# Altium PCB foxbms2-master.PcbDoc (part 5 of 11) (continued)
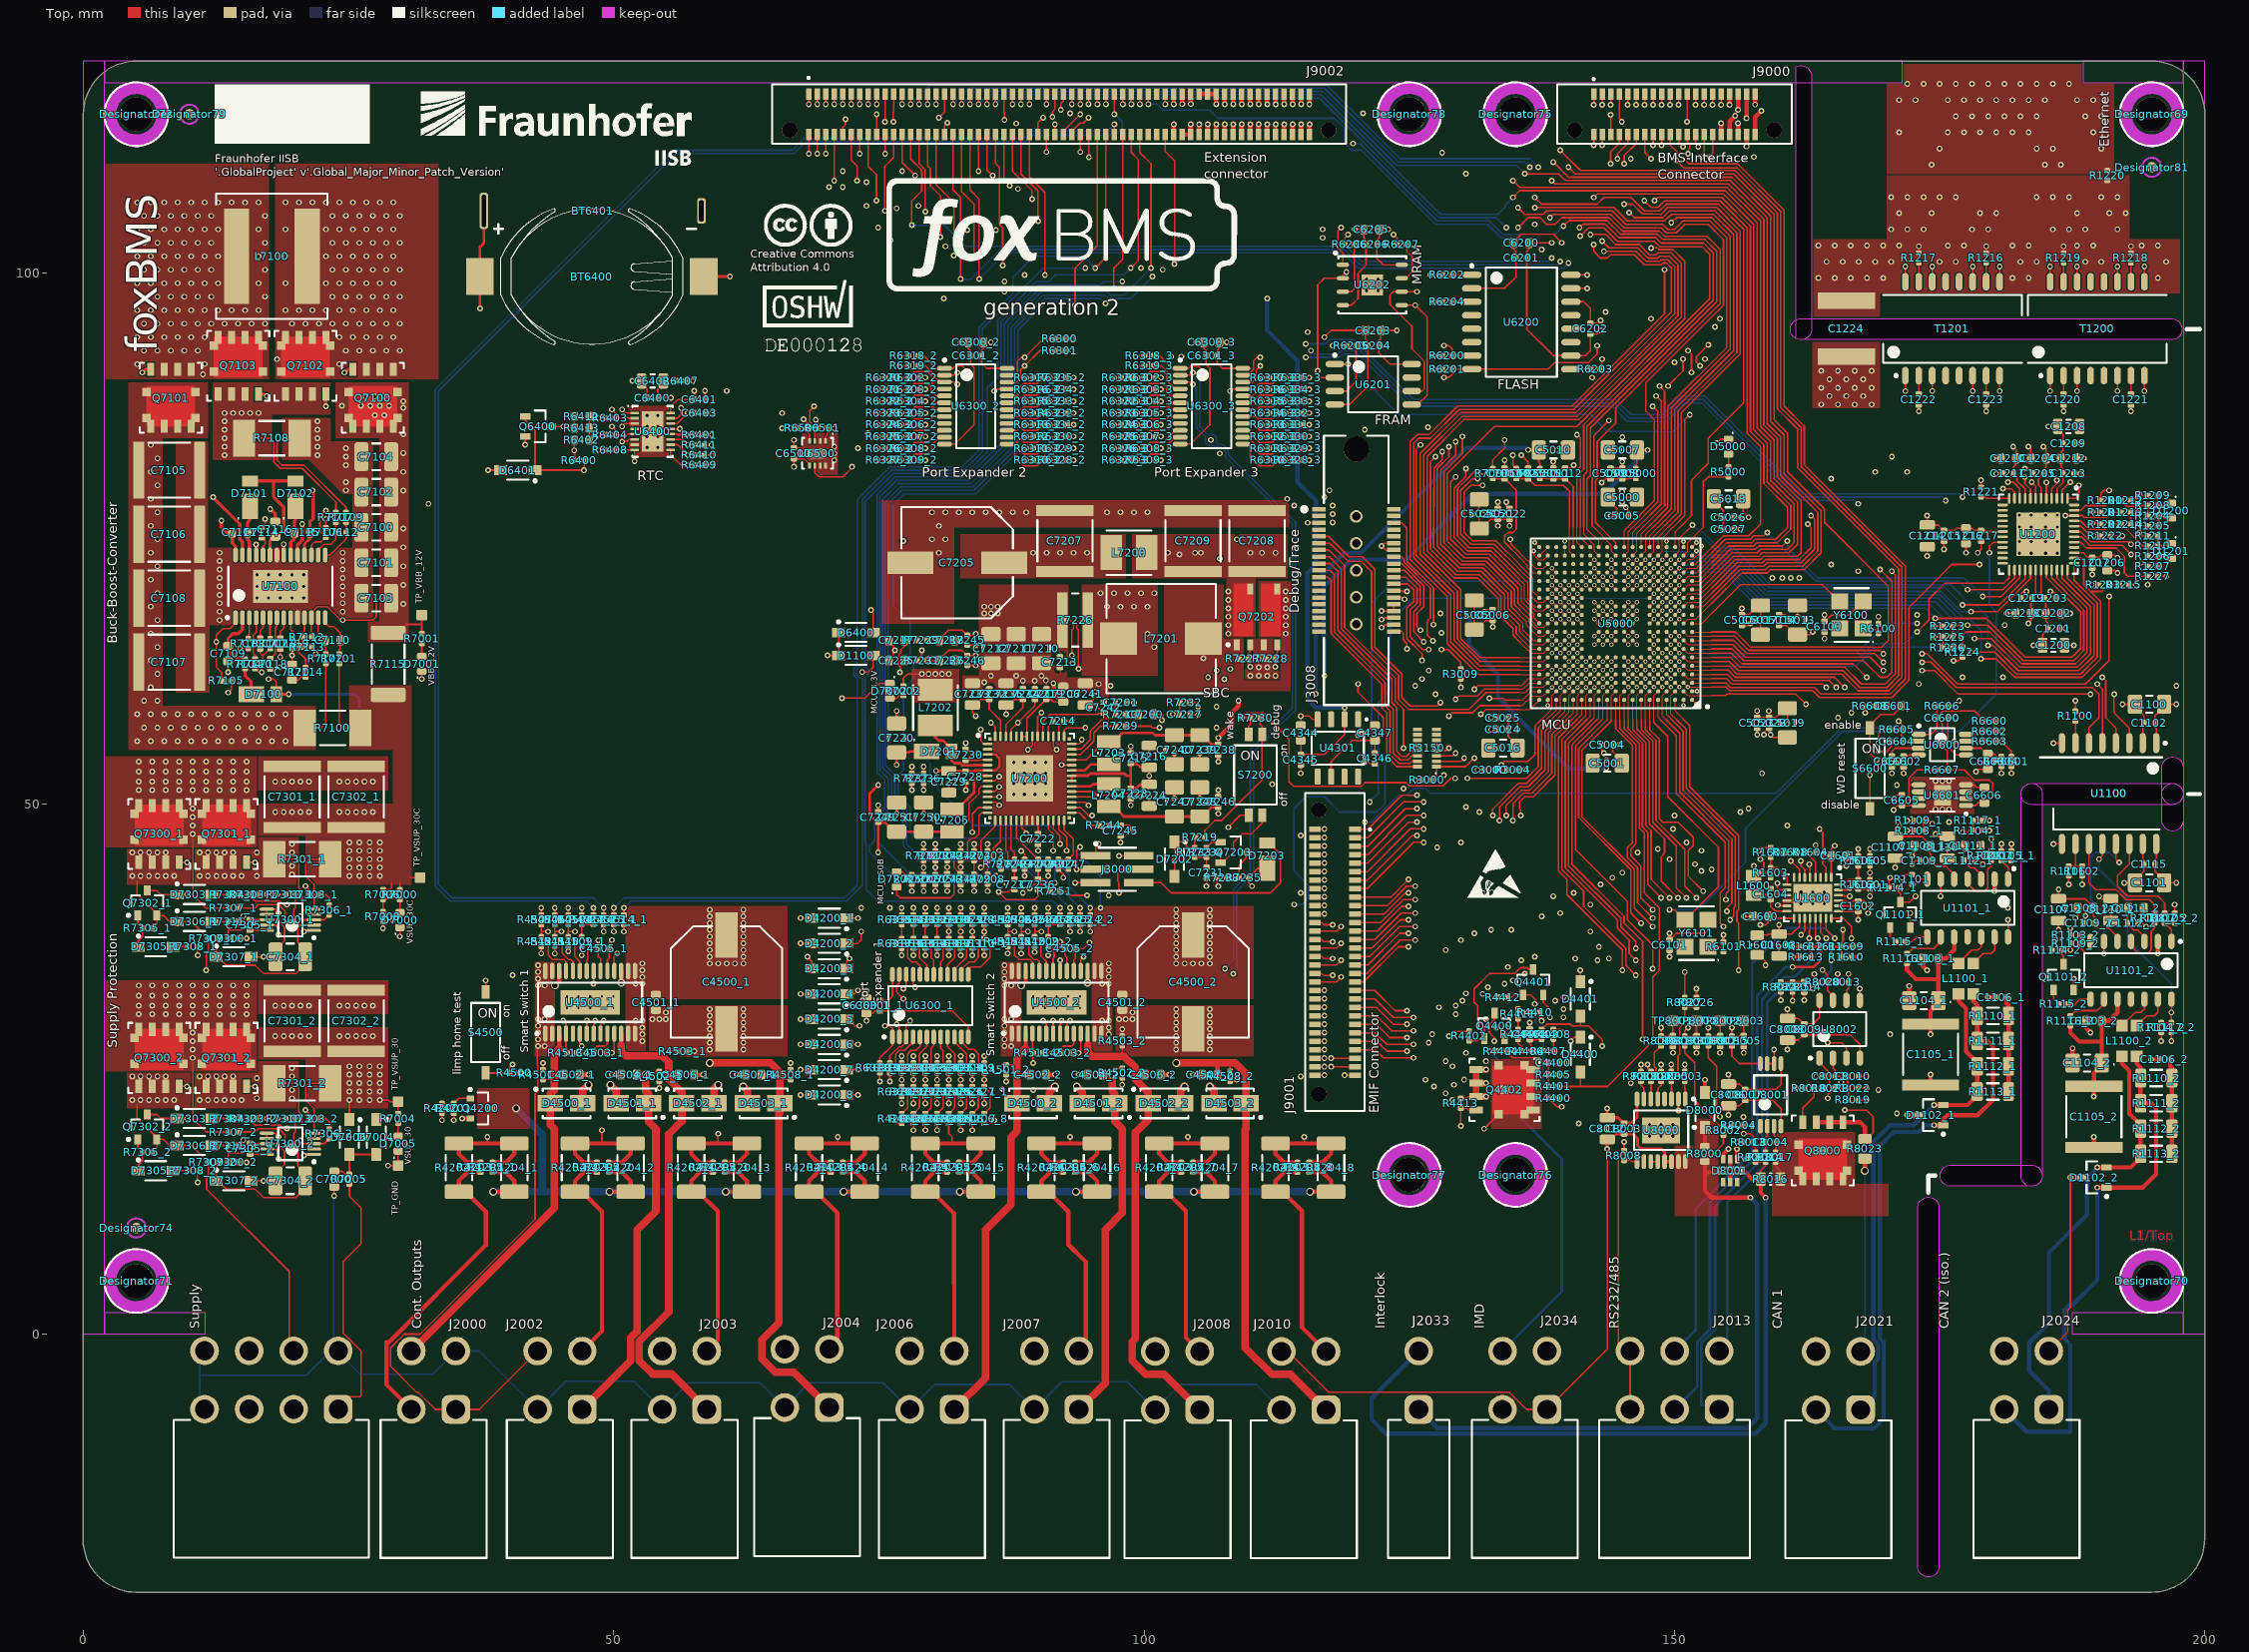
[diagram p0: Top view]
## Nets (pads, with @x,y where several pads share a name; then routed paths per layer and width w, separated by ;. In a path a pad name is that pad's centre, name@x,y a point inside that pad or via, vN(x,y) a via of type N, cw(c..) or ccw(c..) an arc to the next point about the centre after c; other vN are vias at no path point) (continued)
  Top w0.254: BT6400.-@58.492,99.695 v1(60.96,99.695) ; C7249.1@74.93,49.246 v2(74.93,49.847) ; v2(76.676,49.054) C7251.1@76.676,50.111 ; C7220.1@76.676,57.573 v2(76.676,58.737) ; v2(79.216,49.054) C7250.1@79.216,50.111 ; C7229.1@81.597,51.045 v2(81.597,51.911) ; v2(83.185,51.276) C7228.1@83.185,52.036 ; v2(98.742,49.847) C7223.1@98.742,50.449 ; C7215.1@98.742,54.802 v2(98.742,55.404) ; C7224.1@100.489,49.775 v2(100.489,50.641) ; v2(100.489,54.61) C7216.1@100.489,55.476 ; v2(102.87,50.482) C7247.1@102.87,51.54 ; C7240.1@102.87,53.711 v2(102.87,54.769) ; v2(105.251,50.482) C7248.1@105.251,51.54 ; C7239.1@105.251,53.711 v2(105.251,54.769) ; C7246.1@106.998,50.675 v2(106.998,51.276) ; v2(106.998,53.975) C7238.1@106.998,54.576
  Top w0.305: v2(13.652,62.389) C7109.1@13.652,63.269 ; v2(17.621,77.787) 18.098,77.311 C7116.2@18.098,76.607 ; v2(143.669,21.273) C8012.1@143.669,20.392 144.691,20.392 145.206,19.877 C8003.1@145.256,19.877 145.925,19.877 146.474,20.426 U8000.8@146.474,22.159
  Top w0.406: v1(35.719,20.32) 35.721,20.323 Q4200.S@36.481,20.323 ; C4502_1.1@46.762,24.447 v2(47.625,24.447) ; v2(49.847,24.447) C4504_1.1@50.71,24.447 ; C4506_1.1@57.557,24.447 v2(58.42,24.447) ; v2(61.595,24.447) C4507_1.1@62.458,24.447 ; C4502_2.1@90.736,24.447 v2(91.599,24.447) ; v2(93.821,24.447) C4504_2.1@94.684,24.447 ; C4506_2.1@101.531,24.447 v2(102.394,24.447) ; J9002.88@102.8,113.1 v1(102.8,114.042) ; v1(102.8,115.947) J9002.87@102.8,116.9 ; v2(104.616,24.447) C4507_2.1@105.479,24.447 ; J9002.93@105.2,116.9 J9002.95@106,116.9 J9002.97@106.8,116.9 v1(106.8,115.947) ; v1(107.6,115.947) J9002.99@107.6,116.9 ; v1(108.4,115.947) J9002.101@108.4,116.9 ; v1(109.2,115.947) J9002.103@109.2,116.9 ; J9002.114@113.2,113.1 v1(113.2,114.042) ; v1(113.2,115.947) J9002.113@113.2,116.9 ; J9002.116@114,113.1 v1(114,114.042) ; v1(114,115.947) J9002.115@114,116.9 ; J9000.32@154.4,113.1 v1(154.4,114.141) ; v1(155.2,115.887) J9000.33@155.2,116.9 ; v1(155.892,17.462) 155.908,17.447 D8001.1@155.908,16.474 ; v2(161.131,36.512) R1612.1@161.951,36.512 ; v6(167.957,15.399) R8023.2@167.957,16.538 ; v2(171.926,20.637) D1102_1.3@172.949,20.637 ; C1104_1.1@172.139,31.432 v2(172.139,32.808) ; C1103_1.1@173.424,35.401 173.424,34.697 v2(173.831,34.29) ; C1105_1.1@174.149,23.477 v2(174.149,24.447) ; v2(179.546,31.75) C1106_1.1@180.306,31.75 ; v1(180.181,41.751) U1101_1.2@180.181,42.889 U1101_1.2@180.181,43.048
  Top w0.61: v1(132.239,22.384) Q4402.S@131.31,22.384 Q4402.S@131.31,23.654 ; v1(132.239,23.654) Q4402.S@131.31,23.654 ; v1(132.239,24.924) Q4402.S@131.31,24.924 Q4402.S@131.31,23.654
  Top w0.711: D4500_1.2@47.086,21.749 47.086,22.956 v7(47.625,23.495) ; v7(49.689,23.495) 50.228,22.956 D4501_1.2@50.228,21.749 ; D4502_1.2@59.469,21.749 59.469,23.115 v7(59.849,23.495) ; v7(62.23,23.336) 62.61,22.956 D4503_1.2@62.61,21.749 ; D4500_2.2@91.06,21.749 91.06,22.797 v7(91.599,23.336) ; v7(93.662,23.336) 94.201,22.797 D4501_2.2@94.201,21.749 ; D4502_2.2@103.442,21.749 103.442,22.956 v7(103.822,23.336) ; v7(106.204,23.336) 106.584,22.956 D4503_2.2@106.584,21.749
  Bottom w0.152: J2009.4@11.004,-6.787 11.004,-3.89 ; J2009.8@11.004,-1.288 11.004,-3.89 ; v1(23.654,13.018) 23.604,12.968 J2009.5@23.604,-1.288 ; J2010.2@112.957,-7.144 110.576,-4.763 103.432,-4.763 J2008.2@101.051,-7.144 98.416,-4.509 92.254,-4.509 J2007.2@89.657,-7.105 87.315,-4.763 80.252,-4.763 J2006.2@77.91,-7.105 75.409,-4.604 68.451,-4.604 J2004.2@66.126,-6.929 63.801,-4.604 57.075,-4.604 J2003.2@54.574,-7.105 51.914,-4.445 45.486,-4.445 J2002.2@42.826,-7.105 37.326,-1.605 J2000.3@35.12,-1.605 32.915,-3.81 26.126,-3.81 J2009.5@23.604,-1.288 ; J2021.3@167.554,-1.644 167.957,-1.24 v6(167.957,15.399) ; 11.004,-3.89 21.001,-3.89 J2009.5@23.604,-1.288
  other v1: 18.098,30.956 18.891,30.956 19.685,30.956 20.479,30.956 21.273,30.956 24.13,30.956 24.924,30.956 25.717,30.956 26.511,30.956 27.305,30.956 174.625,49.467 175.26,49.467 175.895,49.467 87.718,50.888 88.718,50.888 89.717,50.888 90.717,50.888 87.718,51.888 88.718,51.888 89.717,51.888 90.717,51.888 18.098,52.07 18.891,52.07 19.685,52.07 20.479,52.07 21.273,52.07 24.13,52.07 24.924,52.07 25.717,52.07 26.511,52.07 27.305,52.07 174.625,52.133 175.26,52.133 175.895,52.133 87.718,52.887 88.718,52.887 89.717,52.887 90.717,52.887 87.718,53.887 88.718,53.887 89.717,53.887 90.717,53.887 95.726,61.277 84.931,61.436 88.582,61.595 89.694,61.595 90.743,61.618 85.566,62.071 87.947,62.071 90.329,62.071 12.859,67.31 12.859,68.104 24.447,68.104 12.859,68.897 24.447,68.897 16.374,69.385 17.474,69.385 18.574,69.385 19.674,69.385 20.774,69.385 12.859,69.691 24.447,69.691 12.859,70.485 16.374,70.485 17.474,70.485 18.574,70.485 19.674,70.485 20.774,70.485 24.447,70.485 12.859,71.279 24.447,71.279 16.374,71.585 17.474,71.585 18.574,71.585 19.674,71.585 20.774,71.585 12.859,72.072 24.447,72.072 12.859,72.866 24.447,72.866 12.859,73.66 24.447,73.66 80.645,73.66 80.01,74.93 81.28,74.93 80.645,76.2 80.01,77.47 81.28,77.47 82.55,77.47 83.82,77.47 85.09,77.47 86.36,77.47 87.63,77.47 88.9,77.47 96.52,77.47 97.79,77.47 99.06,77.47 100.33,77.47 24.765,79.534 24.765,80.328 24.765,81.915 70.802,82.391 24.765,82.709 22.066,82.867 70.802,83.026 24.765,83.502 53.158,83.59 54.158,83.59 22.066,83.661 70.802,83.661 22.066,84.455 53.158,84.59 54.158,84.59 22.066,85.249 53.158,85.59 54.158,85.59 22.066,86.042 53.158,86.59 54.158,86.59 163.83,87.63 165.417,87.63 167.005,87.63 168.593,87.63 164.624,88.424 166.211,88.424 167.799,88.424 163.83,89.218 165.417,89.218 167.005,89.218 168.593,89.218 164.624,90.011 166.211,90.011 167.799,90.011 163.83,90.805 165.417,90.805 167.005,90.805 168.593,90.805
  other v2: 147.649,18.659 148.749,18.659 149.849,18.659 147.649,19.759 148.749,19.759 149.849,19.759 59.055,26.829 62.23,26.829 103.029,26.829 106.204,26.829 59.055,27.464 62.23,27.464 103.029,27.464 106.204,27.464 59.055,28.099 62.23,28.099 103.029,28.099 106.204,28.099 59.055,28.734 62.23,28.734 103.029,28.734 106.204,28.734 59.055,29.369 62.23,29.369 103.029,29.369 106.204,29.369 53.657,29.686 54.292,29.686 54.927,29.686 97.631,29.686 98.266,29.686 98.901,29.686 59.055,30.004 62.23,30.004 103.029,30.004 106.204,30.004 54.927,30.321 98.901,30.321 59.055,30.639 62.23,30.639 103.029,30.639 106.204,30.639 110.014,62.071 110.807,62.071 111.601,62.071 112.395,62.071 110.807,62.865 111.601,62.865 110.807,63.659 182.509,73.606 183.624,73.606 184.994,73.606 186.109,73.606 182.509,74.721 183.624,74.721 184.994,74.721 186.109,74.721 182.509,76.091 183.624,76.091 184.994,76.091 186.109,76.091 182.509,77.206 183.624,77.206 184.994,77.206 186.109,77.206 120.97,98.351 122.07,98.351 120.97,99.451 122.07,99.451
  other v3: 152.082,73.819
  other v5: 45.584,30.724 46.684,30.724 47.784,30.724 48.884,30.724 49.984,30.724 89.557,30.724 90.657,30.724 91.757,30.724 92.857,30.724 93.957,30.724 45.584,31.824 46.684,31.824 47.784,31.824 48.884,31.824 49.984,31.824 89.557,31.824 90.657,31.824 91.757,31.824 92.857,31.824 93.957,31.824
GND_ext: C1101.1 C1103_2.1 C1104_2.1 C1105_2.1 C1106_2.1 C1107_2.1 C1108_2.1 C1109_2.1 C1110_2.1 C1111_2.1 C1112_2.1 C1115.1 D1102_2.3 J2024.3 R1106.1 R1109_2.1 R1114_2.1 R1117_2.1 U1100.9 U1100.15 U1101_2.2 | length 38.7
  Top w0.152: J2024.3@185.298,-1.605 187.048,0.145 187.048,2.187 187.325,2.465 v2(187.325,14.764) ; R1114_2.1@185.605,36.195 185.605,36.856 v1(185.896,37.148) ; v1(185.737,46.196) 185.75,46.209 U1100.9@186.531,46.209 ; v1(186.214,38.1) C1107_2.1@186.214,38.98 ; v1(187.166,42.386) R1106.1@187.166,43.206 ; v1(187.325,36.195) 187.351,36.221 R1109_2.1@187.351,36.83 ; v1(187.801,39.211) 188.029,39.439 C1108_2.1@188.029,40.164 ; C1109_2.1@188.561,38.735 188.561,39.147 188.754,39.339 v1(188.754,39.414) ; C1110_2.1@191.135,38.98 v1(191.135,39.846) ; v1(192.405,42.545) 193.079,42.545 193.357,42.824 193.465,42.824 194.276,43.635 C1115.1@194.276,44.291 194.276,44.703 194.151,44.828 U1100.15@194.151,46.209 ; C1101.1@193.411,42.545 C1101.1@193.411,42.77 ; C1112_2.1@193.709,38.735 194.151,38.735 v1(194.469,38.417) ; C1111_2.1@194.241,40.164 194.241,39.439 v1(194.469,39.211) ; v1(196.85,27.622) R1117_2.1@196.85,28.443
  Top w0.406: v2(187.325,14.764) D1102_2.3@188.347,14.764 ; C1104_2.1@187.537,25.559 v2(187.537,26.934) ; C1103_2.1@188.823,29.527 188.823,28.824 v2(189.23,28.416) ; C1105_2.1@189.547,17.604 v2(189.547,18.574) ; v2(194.945,25.876) C1106_2.1@195.705,25.876 ; v1(195.58,35.877) U1101_2.2@195.58,37.174
GND_SW_1: Q4200.D R4204_1.1 R4204_2.1 R4204_3.1 R4204_4.1 R4204_5.1 R4204_6.1 R4204_7.1 R4204_8.1 R4205_1.1 R4205_2.1 R4205_3.1 R4205_4.1 R4205_5.1 R4205_6.1 R4205_7.1 R4205_8.1 | length 129.2
  Top w0.406: R4205_1.1@38.576,15.266 39.82,15.266 40.64,14.446 R4204_1.1@40.64,13.415 v6(38.655,13.415) ; R4205_2.1@49.53,15.266 50.774,15.266 51.594,14.446 R4204_2.1@51.594,13.415 v6(49.609,13.415) ; R4205_3.1@60.484,15.266 61.727,15.266 62.547,14.446 R4204_3.1@62.547,13.415 v6(60.563,13.415) ; R4205_4.1@71.596,15.266 72.84,15.266 73.66,14.446 R4204_4.1@73.66,13.415 v6(71.675,13.415) ; R4205_5.1@82.55,15.266 83.794,15.266 84.614,14.446 R4204_5.1@84.614,13.415 v6(82.629,13.415) ; R4205_6.1@93.504,15.266 94.747,15.266 95.567,14.446 R4204_6.1@95.567,13.415 v6(93.583,13.415) ; R4205_7.1@104.616,15.266 105.86,15.266 106.68,14.446 R4204_7.1@106.68,13.415 v6(104.695,13.415) ; R4205_8.1@115.57,15.266 116.814,15.266 117.634,14.446 R4204_8.1@117.634,13.415 v6(115.649,13.415)
  Bottom w0.711: v6(38.655,13.415) 43.283,13.415 ; v7(40.799,21.273) 43.283,18.788 43.283,13.415 ; v6(115.649,13.415) v6(104.695,13.415) v6(93.583,13.415) v6(82.629,13.415) v6(71.675,13.415) v6(60.563,13.415) v6(49.609,13.415) 43.283,13.415
INTERLOCK.HI_1: D8001.2 J2033.1 R8000.1 R8002.2 U8000.15 U8000.16 | length 68.1
  Top w0.152: R8000.1@152.876,16.286 152.976,16.286 154.623,17.932 R8002.2@154.623,18.759
  Top w0.406: R8000.1@152.876,16.286 152.848,16.286 152.876,16.258 152.876,15.269 ; D8001.2@155.257,16.474 155.257,15.716 154.781,15.24 152.905,15.24 152.876,15.269 ; v1(157.162,12.859) 153.511,12.859 152.876,13.494 152.876,15.269
  Bottom w0.406: J2033.1@125.889,-7.105 127.661,-8.877 156.858,-8.877 157.797,-7.938 157.797,12.224 v1(157.162,12.859)
INTERLOCK.LO_1: D8001.5 J2033.2 R8010.2 R8014.2 R8016.1 | length 76.2
  Top w0.152: R8010.2@157.639,16.219 R8014.2@158.591,16.219 158.591,15.842 158.143,15.393 R8016.1@158.143,14.605
  Top w0.406: D8001.5@155.257,14.324 155.257,14.922 155.575,15.24 156.686,15.24 157.321,14.605 R8016.1@158.143,14.605 158.143,13.307 v1(158.591,12.859)
  Bottom w0.406: J2033.2@125.889,-1.605 121.444,-6.05 121.444,-8.04 122.789,-9.385 157.62,-9.385 158.591,-8.414 v1(158.591,12.859)
INTERLOCK_IO.IL_ENABLE_EXT_1: J9002.85 R8026.1 | length 127
  Top w0.152: v1(102,115.947) J9002.85@102,116.9 ; R8026.1@152.082,31.724 v1(152.082,32.542)
  Int3 (Sig) w0.152: v1(101.759,100.33) 101.759,107.354 102.162,107.757 102.162,114.59 102,114.752 v1(102,115.947)
  Int4 (Sig) w0.152: v1@101.759,100.33 102.076,100.013 103.346,100.013 103.822,100.489 111.284,100.489 120.491,91.281 120.491,87.154 117.792,84.455 117.792,82.55 118.586,81.756 118.586,60.325 121.92,56.991 121.92,47.149 125.73,43.339 129.064,43.339 129.54,43.815 139.541,43.815 144.463,38.894 144.463,33.814 145.735,32.542 v1(152.082,32.542)
INTERLOCK_IO.IL_HS_ENABLE_1: R8027.1 U5000.B11 | length 36
  Top w0.102: 143.192,57.944 143.263,58.014 143.263,60.193 U5000.B11@143.663,60.593
  Top w0.152: 143.192,57.944 140.653,55.404 140.653,45.72 145.574,40.799 145.574,39.052 147.955,36.671 v1(147.955,34.449) ; R8027.1@150.971,31.724 v1(150.971,34.131)
  Int3 (Sig) w0.152: v1(147.955,34.449) 150.654,34.449 v1(150.971,34.131)
INTERLOCK_IO.IL_STATE_1: J9002.86 R8020.2 U5000.A3 U8002.7 | length 161
  Top w0.102: U5000.A3@150.063,59.792 150.063,58.737 150.856,57.944
  Top w0.152: J9002.86@102,113.1 102,111.509 102.87,110.639 v1(102.87,100.887) ; 150.856,57.944 151.443,57.358 151.443,51.599 156.051,46.99 156.051,40.005 155.892,39.846 155.892,38.894 156.051,38.735 v1(156.051,34.29) ; v1(163.958,34.321) 164.439,33.84 R8020.2@164.439,33.179 164.439,32.386 164.941,31.884 U8002.7@164.941,31.459
  Int3 (Sig) w0.152: v1(156.051,34.29) 156.369,33.972 161.925,33.972 162.56,34.608 163.671,34.608 v1(163.958,34.321)
  Int4 (Sig) w0.152: v1(102.87,100.887) 102.909,100.926 103.247,100.926 103.445,101.124 111.601,101.124 121.126,91.599 121.126,86.836 118.427,84.138 118.427,82.867 119.221,82.074 119.221,60.565 122.555,57.232 122.555,47.439 126.02,43.974 128.823,43.974 129.3,44.45 139.865,44.45 147.961,36.354 153.987,36.354 v1(156.051,34.29)
IODEV_IO.\SMSW_FAULT_1: R4513_1.1 R4513_2.1 U4500_1.4 U4500_2.4 U5000.M2 | length 223.5
  Top w0.102: U5000.M2@150.862,68.592 151.262,68.992 152.654,68.992 153.511,69.85
  Top w0.152: v2(45.244,29.527) 45.509,29.262 U4500_1.4@45.509,28.324 45.509,27.04 45.588,26.961 R4513_1.1@45.588,26.511 ; U4500_2.4@89.482,28.324 89.482,27.04 89.561,26.961 R4513_2.1@89.561,26.511 89.561,26.135 89.535,26.108 v1(89.535,25.559) ; 153.511,69.85 156.051,72.39 158.433,72.39 158.75,72.707 161.925,72.707 163.195,73.977 163.195,76.835 v1(162.877,77.153)
  Int3 (Sig) w0.152: v2(45.244,29.527) 45.244,27.84 47.889,25.195 52.659,25.195 58.896,31.432 63.103,31.432 64.214,30.321 81.915,30.321 82.233,30.004 83.026,30.004 86.836,26.194 88.9,26.194 v1(89.535,25.559) ; v1(89.535,23.019) 92.075,20.479 153.035,20.479 153.432,20.876 153.918,20.876 154.234,21.192 164.863,21.192 165.576,20.479 170.656,20.479 v1(170.974,20.796)
  Int1 (Sig) w0.152: v1(89.535,23.019) v1(89.535,25.559) ; v1(162.877,77.153) 163.354,77.153 172.085,68.421 172.085,61.436 172.561,60.96 172.561,54.086 172.884,53.762 172.884,46.996 171.767,45.879 171.767,43.815 172.085,43.497 172.085,40.799 170.974,39.688 v1(170.974,20.796)
IODEV_IO.\SMSW_RESET_1: U4500_1.21 U4500_2.21 U5000.L4 | length 142.3
  Top w0.102: U5000.L4@149.263,67.792 v3(149.662,68.192)
  Top w0.152: v2(48.101,33.02) 48.109,33.028 U4500_1.21@48.109,34.224 ; v1(92.075,35.242) 92.082,35.235 U4500_2.21@92.082,34.224
  Int3 (Sig) w0.152: v2(48.101,33.02) 49.53,33.02 52.07,35.56 53.975,35.56 55.562,33.972 84.455,33.972 87.154,36.671 91.281,36.671 92.075,35.877 v1(92.075,35.242) 92.71,34.608 95.091,34.608 101.441,40.957 113.665,40.957 v1(114.141,40.481)
  Bottom w0.102: 135.414,69.374 149.015,69.374 149.285,69.104 149.285,68.57 v3(149.662,68.192)
  Bottom w0.152: v1(114.141,40.481) 114.851,40.481 115.507,41.137 115.507,42.291 114.141,43.656 114.141,49.53 115.252,50.641 116.999,50.641 118.427,49.212 121.92,49.212 122.714,50.006 122.714,54.134 122.079,54.769 122.079,59.531 123.19,60.642 123.19,67.142 125.422,69.374 135.414,69.374
IODEV_IO.CONT_FB_EN_1: R4200.1 U5000.L16 | length 162.1
  Top w0.102: v3(139.263,68.192) U5000.L16@139.663,67.792
  Top w0.152: v2(33.814,20.161) R4200.1@33.814,20.823
  Int3 (Sig) w0.152: v2(33.814,20.161) 34.449,19.526 38.576,19.526 39.211,20.161 75.248,20.161 76.041,20.955 86.201,20.955 86.995,20.161 140.653,20.161 v1(140.97,19.844)
  Int1 (Sig) w0.152: v1(140.97,19.844) v1(140.97,26.511)
  Int6 (Sig) w0.102: 137.795,57.944 137.795,58.896 137.685,59.006 137.685,59.417 137.795,59.527 137.795,68.263 138.112,68.58 138.875,68.58 v3(139.263,68.192)
  Int6 (Sig) w0.152: 137.795,57.944 137.795,43.021 139.859,40.957 139.859,39.211 138.906,38.259 138.906,33.496 140.97,31.432 v1(140.97,26.511)
IODEV_IO.CONT_FB_IO.IO0_0_1: D4200_1.1 R4206_1.1 R6302_1.1 R6320_1.2 U6300_1.4 | length 26.9
  Top w0.152: D4200_1.1@71.961,39.211 v1(73.025,39.211) ; R4206_1.1@77.153,20.77 77.707,21.324 77.707,22.756 R6320_1.2@77.153,23.31 v2(77.153,23.971) R6302_1.1@77.153,24.633 76.598,25.187 76.598,26.423 76.923,26.748 77.443,26.748 78.226,27.531 U6300_1.4@78.226,28.006
  Int4 (Sig) w0.152: v1(73.025,39.211) 74.089,38.147 74.089,34.814 76.119,32.783 76.119,25.004 v2(77.153,23.971)
IODEV_IO.CONT_FB_IO.IO0_1_1: D4200_2.1 R4206_2.1 R6303_1.1 R6321_1.2 U6300_1.5 | length 31.2
  Top w0.152: D4200_2.1@71.961,36.83 73.025,36.83 73.343,37.148 v1(73.343,37.941) ; R4206_2.1@78.264,20.77 78.818,21.324 78.818,22.756 R6321_1.2@78.264,23.31 v2(78.264,23.971) R6303_1.1@78.264,24.633 77.709,25.187 77.709,26.423 78.034,26.748 78.501,26.748 78.876,27.124 U6300_1.5@78.876,28.006
  Int4 (Sig) w0.152: v1(73.343,37.941) 73.343,34.766 74.771,33.337 74.771,25.559 73.977,24.765 73.977,23.495 74.454,23.019 77.311,23.019 v2(78.264,23.971)
IODEV_IO.CONT_FB_IO.IO0_2_1: D4200_3.1 R4206_3.1 R6304_1.1 R6322_1.2 U6300_1.6 | length 29.1
  Top w0.152: D4200_3.1@71.961,34.449 71.961,35.131 v1(72.231,35.401) ; R4206_3.1@79.375,20.77 79.929,21.324 79.929,22.756 R6322_1.2@79.375,23.31 v2(79.375,23.971) R6304_1.1@79.375,24.633 78.821,25.187 78.821,26.423 79.526,27.129 U6300_1.6@79.526,28.006
  Int4 (Sig) w0.152: v1(72.231,35.401) 74.454,33.179 74.454,25.717 73.66,24.924 73.66,23.336 74.295,22.701 78.105,22.701 v2(79.375,23.971)
IODEV_IO.CONT_FB_IO.IO0_3_1: D4200_4.1 R4206_4.1 R6305_1.1 R6323_1.2 U6300_1.7 | length 27.2
  Top w0.152: D4200_4.1@71.961,32.067 72.707,32.067 v1(73.025,32.385) ; U6300_1.7@80.176,28.006 80.176,27.205 79.932,26.96 79.932,25.187 R6305_1.1@80.486,24.633 v2(80.486,23.971) R6323_1.2@80.486,23.31 81.041,22.756 81.041,21.324 R4206_4.1@80.486,20.77
  Int4 (Sig) w0.152: v1(73.025,32.385) 72.39,31.75 72.39,24.13 74.136,22.384 78.899,22.384 v2(80.486,23.971)
IODEV_IO.CONT_FB_IO.IO0_4_1: D4200_5.1 R4206_5.1 R6306_1.1 R6324_1.2 U6300_1.8 | length 21.7
  Top w0.152: D4200_5.1@71.961,29.686 72.116,29.686 72.751,29.051 v1(73.184,29.051) ; U6300_1.8@80.826,28.006 80.826,26.93 81.043,26.713 81.043,25.187 R6306_1.1@81.597,24.633 v2(81.597,23.971) R6324_1.2@81.597,23.31 82.152,22.756 82.152,21.324 R4206_5.1@81.597,20.77
  Int3 (Sig) w0.152: v1(73.184,29.051) 73.977,28.258 73.977,25.355 74.727,24.606 80.963,24.606 v2(81.597,23.971)
IODEV_IO.CONT_FB_IO.IO0_5_1: D4200_6.1 R4206_6.1 R6307_1.1 R6325_1.2 U6300_1.9 | length 23
  Top w0.152: D4200_6.1@71.961,27.305 v1(73.025,27.305) ; U6300_1.9@81.476,28.006 81.476,27.099 82.154,26.421 82.154,25.187 R6307_1.1@82.709,24.633 v2(82.709,23.971) R6325_1.2@82.709,23.31 83.263,22.756 83.263,21.324 R4206_6.1@82.709,20.77
  Int3 (Sig) w0.152: v1(73.025,27.305) 73.66,26.67 73.66,23.495 74.136,23.019 81.756,23.019 v2(82.709,23.971)
IODEV_IO.CONT_FB_IO.IO0_6_1: D4200_7.1 R4206_7.1 R6308_1.1 R6326_1.2 U6300_1.10 | length 22.5
  Top w0.152: D4200_7.1@71.961,24.924 v1(73.025,24.924) ; U6300_1.10@82.126,28.006 82.126,27.531 82.909,26.748 82.938,26.748 83.266,26.421 83.266,25.187 R6308_1.1@83.82,24.633 v2(83.82,23.971) R6326_1.2@83.82,23.31 84.374,22.756 84.374,21.324 R4206_7.1@83.82,20.77
  Int3 (Sig) w0.152: v1(73.025,24.924) 73.025,23.654 73.977,22.701 82.55,22.701 v2(83.82,23.971)
IODEV_IO.CONT_FB_IO.IO0_7_1: D4200_8.1 R4206_8.1 R6309_1.1 R6327_1.2 U6300_1.11 | length 22.6
  Top w0.152: D4200_8.1@71.961,22.543 v1(73.025,22.543) ; U6300_1.11@82.776,28.006 82.776,27.531 83.479,26.829 83.969,26.829 84.377,26.421 84.377,25.187 R6309_1.1@84.931,24.633 v2(84.931,23.971) R6327_1.2@84.931,23.31 85.486,22.756 85.486,21.324 R4206_8.1@84.931,20.77
  Int3 (Sig) w0.152: v1(73.025,22.543) 73.66,22.543 73.819,22.384 83.344,22.384 v2(84.931,23.971)
IODEV_IO.CONT_FB_IO.IO1_0_1: R6310_1.1 R6328_1.2 U6300_1.13 | length 6.3
  Top w0.152: U6300_1.13@83.426,33.906 83.426,34.381 83.657,34.612 84.609,34.612 85.486,35.489 85.486,36.726 R6310_1.1@84.931,37.28 v2(84.931,37.928) R6328_1.2@84.931,38.576
IODEV_IO.CONT_FB_IO.IO1_1_1: R6311_1.1 R6329_1.2 U6300_1.14 | length 6.1
  Top w0.152: U6300_1.14@82.776,33.906 82.776,34.381 83.479,35.084 83.969,35.084 84.374,35.489 84.374,36.726 R6311_1.1@83.82,37.28 v2(83.82,37.941) R6329_1.2@83.82,38.602 R6329_1.2@83.82,38.782
IODEV_IO.CONT_FB_IO.IO1_2_1: R6312_1.1 R6330_1.2 U6300_1.15 | length 5.4
  Top w0.152: U6300_1.15@82.126,33.906 82.126,34.381 82.909,35.164 82.938,35.164 83.263,35.489 83.263,36.726 R6312_1.1@82.709,37.28 v2(82.709,37.941) R6330_1.2@82.709,38.602
IODEV_IO.CONT_FB_IO.IO1_3_1: R6313_1.1 R6331_1.2 U6300_1.16 | length 5.2
  Top w0.152: U6300_1.16@81.476,33.906 81.476,34.813 82.152,35.489 82.152,36.726 R6313_1.1@81.597,37.28 v2(81.597,37.941) R6331_1.2@81.597,38.602
IODEV_IO.CONT_FB_IO.IO1_4_1: R6314_1.1 R6332_1.2 U6300_1.17 | length 5
  Top w0.152: R6332_1.2@80.486,38.602 R6314_1.1@80.486,37.28 81.041,36.726 81.041,35.277 80.826,35.062 U6300_1.17@80.826,33.906
IODEV_IO.CONT_FB_IO.IO1_5_1: R6315_1.1 R6333_1.2 U6300_1.18 | length 5
  Top w0.152: R6333_1.2@79.375,38.602 R6315_1.1@79.375,37.28 79.929,36.726 79.929,35.482 80.176,35.235 U6300_1.18@80.176,33.906
IODEV_IO.CONT_FB_IO.IO1_6_1: R6316_1.1 R6334_1.2 U6300_1.19 | length 5.2
  Top w0.152: R6334_1.2@78.264,38.602 R6316_1.1@78.264,37.28 78.821,36.723 78.821,35.479 79.526,34.774 U6300_1.19@79.526,33.906
IODEV_IO.CONT_FB_IO.IO1_7_1: R6317_1.1 R6335_1.2 U6300_1.20 | length 5.6
  Top w0.152: R6335_1.2@77.153,38.602 R6317_1.1@77.153,37.28 77.709,36.723 77.709,35.489 78.115,35.084 78.5,35.084 78.876,34.708 U6300_1.20@78.876,33.906
IODEV_IO.IM_OK_1: D4400.2 R4401.2 U5000.A9 | length 45.9
  Top w0.102: 145.263,57.944 U5000.A9@145.263,59.792
  Top w0.152: R4401.2@139.039,23.336 141.144,23.336 ; D4400.2@141.129,24.717 141.129,23.351 141.144,23.336 ; 145.263,57.944 145.263,57.08 146.685,55.658 146.685,47.704 147.161,47.228 147.161,41.593 148.59,40.164 148.59,34.29 147.955,33.655 147.955,27.622 143.669,23.336 141.144,23.336
IODEV_IO.IM_PWM_1: D4401.2 R4403.2 U5000.N1 | length 105.7
  Top w0.102: U5000.N1@151.663,69.393 152.578,69.393 153.511,70.326
  Top w0.152: R4403.2@137.477,28.708 137.98,29.21 140.176,29.21 140.335,29.051 141.129,29.051 ; D4401.2@141.129,29.956 141.129,29.051 ; v1(143.192,27.146) 143.192,27.781 141.922,29.051 141.129,29.051 ; 153.511,70.326 155.892,72.707 158.274,72.707 158.591,73.025 161.766,73.025 162.877,74.136 162.877,76.041 v1(162.56,76.359)
  Int3 (Sig) w0.152: v1(143.192,27.146) 148.114,27.146 149.225,28.258 v1(170.339,28.258)
  Int1 (Sig) w0.152: v1(162.56,76.359) 163.671,76.359 171.767,68.263 171.767,61.277 172.265,60.78 172.265,53.795 172.561,53.499 172.561,47.149 169.787,44.374 169.787,42.792 169.862,42.716 169.862,40.481 170.656,39.688 170.656,28.575 v1(170.339,28.258)
IODEV_IO.IM_SUP_EN_1: R4400.1 U5000.M3 | length 102.6
  Top w0.102: U5000.M3@150.063,68.592 v4(150.463,68.992)
  Top w0.152: R4400.1@139.039,22.225 v2(139.859,22.225)
  Int3 (Sig) w0.102: v4(150.463,68.992) 153.13,68.992 153.511,69.374
  Int3 (Sig) w0.152: v2(139.859,22.225) 163.354,22.225 164.147,23.019 167.035,23.019 167.43,22.623 168.832,22.623 v1(169.227,23.019) ; 153.511,69.374 156.051,71.914 v1(167.322,71.914)
  Int1 (Sig) w0.152: v1(167.322,71.914) 167.382,71.855 167.699,71.855 171.45,68.104 171.45,61.119 171.924,60.645 171.924,53.566 172.307,53.182 172.307,50.07 169.533,47.295 169.533,42.686 169.545,42.674 169.545,40.322 170.339,39.529 170.339,29.21 169.704,28.575 169.704,23.495 v1(169.227,23.019)
IODEV_IO.SMSW1_IN1: J9002.71 R4514_1.1 | length 115.2
  Top w0.152: R4514_1.1@50.959,39.502 v1(50.959,40.164) ; v1(96.4,115.947) J9002.71@96.4,116.9
  Int3 (Sig) w0.152: v1(94.456,100.489) 96.4,102.432 v1(96.4,115.947)
  Bottom w0.152: v1(50.959,40.164) 51.594,40.799 71.914,40.799 73.434,42.319 73.434,61.85 73.205,61.85 72.88,62.174 72.88,62.634 73.205,62.958 73.434,62.958 73.434,78.673 76.2,81.439 83.026,81.439 84.772,83.185 84.772,94.774 90.487,100.489 v1(94.456,100.489)
IODEV_IO.SMSW1_IN2: J9002.72 R4515_1.1 | length 114.2
  Top w0.152: R4515_1.1@50.006,39.502 v1(50.006,40.164) ; v1(95.409,100.489) 96.4,101.48 J9002.72@96.4,113.1
  Bottom w0.152: v1(50.006,40.164) 50.959,41.116 71.755,41.116 72.947,42.308 72.947,61.748 72.626,62.069 72.626,62.739 72.947,63.06 72.947,78.662 76.041,81.756 82.867,81.756 84.455,83.344 84.455,94.932 87.63,98.108 87.63,99.617 89.613,101.6 94.297,101.6 v1(95.409,100.489)